# Altium PCB CL-AHU-V1.1.pcbdoc (part 1 of 5) (continued)
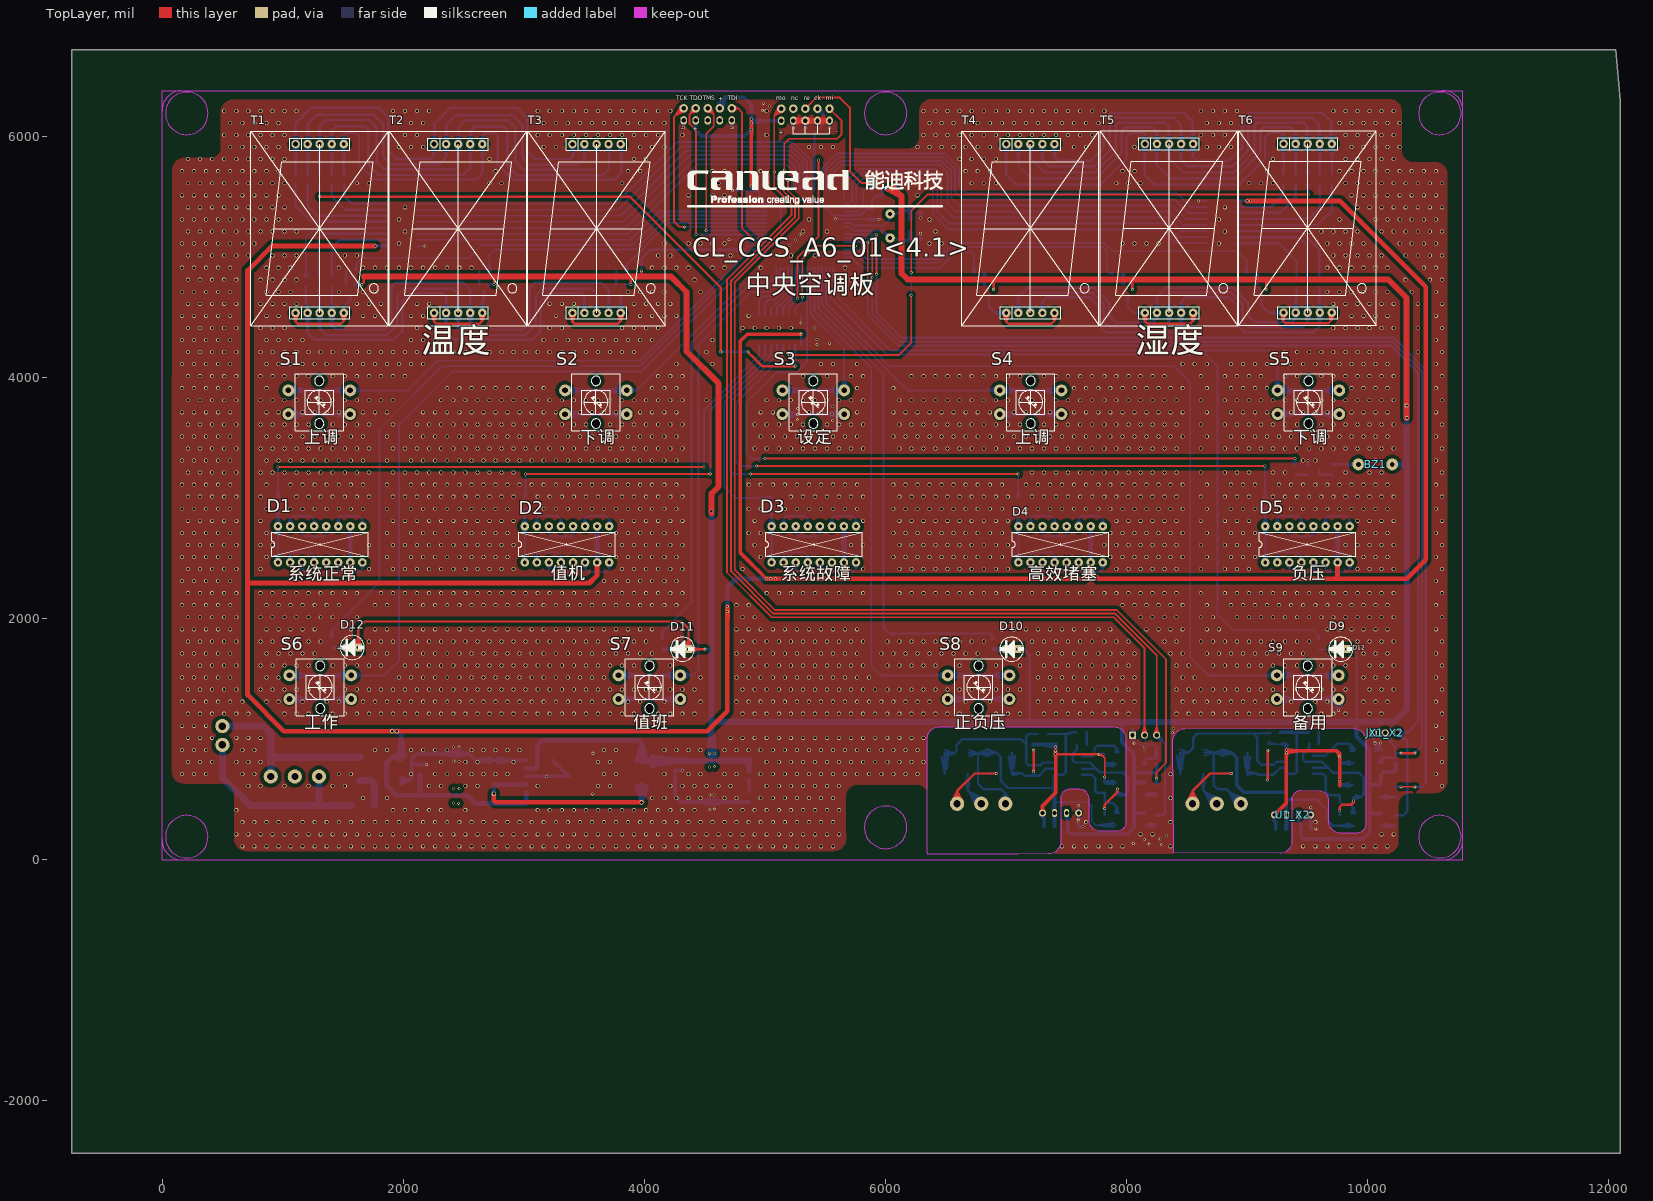
[diagram p0: TopLayer view]
## Footprints (in the part's own frame and the unit in brackets; to place one, negate y for a bottom-side part, rotate by r counter-clockwise, add the part's x,y. Pads: shape width x height; smd on the part's side, far side on the other; paste and mask are expansions set on the pad) (continued)
LED [mm]
  rect 1.651x1.651 hole 0.7: 1(-0.004,-1.263)
  round 1.8 hole 0.7: 2(-0.004,1.277)
  silkscreen extent -2.54,-2.53 2.53,2.55
LED0805#1 [mil]
  rect 50x50 smd: 1(0,0) 2(-80,0)
  silkscreen extent -135,-40 40,40
LED0805#2 [mil]
  rect 50x50 smd far side: 1(0,0) 2(-80,0)
LM2575 [mm] "Power Scource"
  rect 1.07x2.5 smd: 1(-3.4,-4.889) 2(-1.7,-4.89) 3(0,-4.89) 4(1.7,-4.89) 5(3.4,-4.889)
  rect 10.8x11 smd: 3(0,4.095)
  silkscreen extent -5.99,-6.57 6.05,9.89
LN12101B62B-2C [mm]
  round 1.8 hole 0.813: 1(-5.08,-17.74) 2(-2.54,-17.74) 3(0,-17.74) 4(2.54,-17.74) 5(5.08,-17.74) 6(5.08,17.82) 7(2.54,17.82) 8(0,17.82) 9(-2.54,17.82)
  round 1.8 hole 1: 10(-5.08,17.82)
  silkscreen extent -14.5,-20.44 14.48,20.56
PL3Q [mm]
  round 3 hole 1.5: 1(-5.08,0) 2(0,0) 3(5.08,0)
  silkscreen extent -8.64,-10.29 8.64,2.67
PLED [mm]
  round 1.8 hole 0.813: 1(-8.89,-3.81) 2(-6.35,-3.81) 3(-3.81,-3.81) 4(-1.27,-3.81) 5(1.27,-3.81) 6(3.81,-3.81) 7(6.35,-3.81) 8(8.89,-3.81) 9(8.89,3.81) 10(6.35,3.81) 11(3.81,3.81) 12(1.27,3.81) 13(-1.27,3.81) 14(-3.81,3.81) 15(-6.35,3.81) 16(-8.89,3.81)
  silkscreen extent -10.16,-2.57 10.16,2.54
PPTC_SMT#1 [mm]
  rect 1.2x3.4 smd: 1(-2.4,0) 2(2.4,0)
  silkscreen extent -3.3,-2 3.3,2, body extent -2.36,-2.08 2.62,2.08, height 0.5
PPTC_SMT#2 [mm]
  rect 1.2x3.4 smd far side: 1(-2.4,0) 2(2.4,0)
  body extent -2.36,-2.08 2.62,2.08, height 0.5
PS2701#1 [mil]
  oval 100x50 smd: 1(-115,50) 2(-115,-50) 3(115,-50) 4(115,50)
  silkscreen extent -165,-89 160,118
PS2701#2 [mil]
  oval 100x50 smd far side: 1(-115,-50) 2(-115,50) 3(115,50) 4(115,-50)
SMBJ_SMT#1 [mil]
  rect 70x133.86 smd: A(-100,0) K(100,0)
  silkscreen extent -150,-79 149,79, body extent -91,-53 91,53, height 94
SMBJ_SMT#2 [mil]
  rect 70x133.86 smd far side: A(-100,0) K(100,0)
  body extent -91,-53 91,53, height 94
SOP8#1 [mil]
  oval 24x80 smd: 1(-75,-110) 2(-25,-110) 3(25,-110) 4(75,-110) 5(75,110) 6(25,110) 7(-25,110) 8(-75,110)
  silkscreen extent -95,-75 95,75, body extent -97,-118 96,118, height 61
SOP8#2 [mil]
  oval 24x80 smd far side: 1(-75,110) 2(-25,110) 3(25,110) 4(75,110) 5(75,-110) 6(25,-110) 7(-25,-110) 8(-75,-110)
  body extent -97,-118 96,118, height 61
SOP-16 [mil]
  rect 30x80 smd: 1(-175,-125)
  oval 30x80 smd: 2(-125,-125) 3(-75,-125) 4(-25,-125) 5(25,-125) 6(75,-125) 7(125,-125) 8(175,-125) 9(175,125) 10(125,125) 11(75,125) 12(25,125) 13(-25,125) 14(-75,125) 15(-125,125) 16(-175,125)
  silkscreen extent -195,-70 195,70, body extent -194,-130 192,98, height 69
SOT23 [mm]
  rect 0.9x0.95 smd: 1(0,1.175) 2(-0.95,-1.175) 3(0.95,-1.175)
  silkscreen extent -1.3,-0.3 1.3,2.33, body extent -1.45,-1.4 1.45,1.4, height 1.2
SPK [mm]
  round 2.5 / inner round 1.5 / far side round 1.5 hole 1: 1(0.007,-0.008) 2(-7.105,-0.008)
  body extent -9.74,-6.01 2.26,5.99, height 9
VH3.96-2 [mm]
  round 3 hole 1.6: 1(-1.98,0) 2(1.98,0)
  silkscreen extent -4.2,-4.8 4.2,3.7, body extent -4.33,-4.93 8.29,3.83, height 11
VScore [mil] "VScore"
  round 60 hole 30: 1(0,0) 4(300,0)
  oval 40x70 hole 30: 2(100,0) 3(200,0)
  silkscreen extent -125,-50 425,225
XAL2 [mm]
  round 1.27 / inner round 1.27 / far side round 2 hole 0.813: 1(0,0) 2(5.08,0)
  silkscreen extent -2.95,-2.25 8.03,2.25, body extent -3.14,-2.4 8.21,2.25, height 3.5
铝电解电容 [mm]
  oval 2x5 smd: 1(0,4.445) 2(0,-4.318)
  silkscreen extent -4.45,-4.32 4.45,4.45

## Part data
BZ1: library part Speaker, "Loudspeaker"
C1_X1 C1_X2 C2_X1 C2_X2 C3_X1 C3_X2: library part Cap, "Capacitor"
C4 C8 C11 C12 C13 C14: library part CAP, "Capacitor"
C5: library part ELECTRO1, "Electrolytic Capacitor"
C7: library part "Cap Pol1", "Polarized Capacitor (Radial)"
C9 C10: library part "CAP NP"
D1 D2 D3 D4 D5: library part D1
D6_X1 D6_X2 D7_X1 D7_X2: library part DIODE, "Diode"
D8: library part Bridge
DZ1: library part ZENER3, "Zener Diode"
F1_X1 F1_X2 F2_X1 F2_X2 F3: library part "Fuse 1", "Fuse"
ISP1 JTAG1: library part CON10, "Connector"
JX1_X1 JX1_X2 P2 P3: "Header, 3-Pin"
L1: library part INDUCTOR
P1 P8: library part "Header 3", "Header, 3-Pin"
Pw1: library part LM2576
Q5: library part NPN, "NPN Bipolar Transistor"
Q17 Q18 Q19 Q20 Q21 Q22: library part PNP, "PNP Bipolar Transistor"
R1_X1 R1_X2 R2_X1 R2_X2 R3_X1 R3_X2 R4_X1 R4_X2 R5_X1 R5_X2 R6_X1 R6_X2 R7_X1 R7_X2 R8_X1 R8_X2 R9_X1 R9_X2 R10 R11 R12 R13 R14 R15 R16 R17 R18 R19 R20_X1 R20_X2 R22 R23 R24 R25 R26 R27 R28 R29 R33 R34 R35 R36 R37 R38 R42 R43 R44 R45 R46 R47 R48 R49 R50 R51: library part RES2
R20 R21: library part res
S1 S2 S3 S4 S5 S6 S7 S8 S9: library part SW-PB
T1 T2 T3 T4 T5 T6: library part DS
U1_X1 U1_X2: library part VScoure
U3 U5 U6: library part ULN2003A, "High-Voltage, High-Current Darlington Array"
U4: library part ATMEGA64
Y1: library part CRYSTAL

## Free pads (board coordinates)
  round 78.74 on Top Overlay: 29(9777.56,1746.46)

## Via types
v1: diameter 33/33 (per signal layer), hole 23, TopLayer to BottomLayer, tented both sides, 2996 vias
v2: diameter 25, hole 15, TopLayer to BottomLayer, tented both sides, 138 vias
v3: diameter 24, hole 15, TopLayer to BottomLayer, tented both sides, 16 vias
v4: diameter 35, hole 20, TopLayer to BottomLayer, tented both sides, 3 vias
v5: diameter 30, hole 20, TopLayer to BottomLayer, tented both sides, 2 vias
v6: diameter 35, hole 25, TopLayer to BottomLayer, tented both sides, 2 vias

## Nets (pads, with @x,y where several pads share a name; then routed paths per layer and width w, separated by ;. In a path a pad name is that pad's centre, name@x,y a point inside that pad or via, vN(x,y) a via of type N, cw(c..) or ccw(c..) an arc to the next point about the centre after c; other vN are vias at no path point)
12V: C4.1 C5.1 D1.7 D1.10 D2.7 D2.10 D3.7 D3.10 D4.7 D4.10 D5.7 D5.10 D8.3 Pw1.1 U3.9 U5.9 U6.9 | length 34587.3
  TopLayer w30: 4935.41,2406.84 v2(5011.56,2330.71) 4793.55,2548.7 4793.55,4299.7 4852.56,4358.71 v2(5300.56,4358.71)
  TopLayer w40: 1560.47,2302.78 D1.7@1560.47,2465.2 ; v2(1764.26,5091.41) 913.26,5091.41 708.55,4886.7 708.55,2294.7 ; 1769.55,1065.2 v4(1907.05,1064.7) ; 2044.56,1065.2 v4(1907.05,1064.7) ; 2083.55,1065.2 v4(1946.02,1064.15) ; D2.7@3607.72,2465.2 3607.72,2357.86 3544.55,2294.7 708.55,2294.7 ; 4687.19,1926.4 v2(4687.81,2058.92) ; 5144.06,2330.7 v2(5011.56,2330.71) ; 5178.81,2330.7 v2(5046.3,2330.2) ; 5218.81,2330.7 v2(5086.3,2330.2) ; D3.7@5654.96,2465.2 5654.96,2364.29 5688.55,2330.7 ; D4.7@7702.2,2465.2 7702.2,2391.05 ; 9749.45,2342.7 D5.7@9749.45,2465.2 ; 708.55,2294.7 708.55,1366.7 1010.05,1065.2 4521.05,1065.2 4687.19,1231.33 v2(4687.19,2098.95) ; v4(1907.05,1064.7) 1808.49,1065.2 v4(1946.02,1064.15) ; v4(1907.05,1064.7) v4(1946.02,1064.15) ; v2(4687.19,2098.95) v2(4687.81,2058.92) ; v2(4687.19,2098.95) v2(4687.81,2058.92) ; v2(4687.19,2098.95) 4687.19,1966.45 v2(4687.81,2058.92) ; v2(5011.56,2330.71) v2(5046.3,2330.2) ; v2(5011.56,2330.71) v2(5046.3,2330.2) ; v2(5011.56,2330.71) v2(5086.3,2330.2) ; v2(5011.56,2330.71) v2(5046.3,2330.2) ; v2(5011.56,2330.71) v2(5046.3,2330.2) ; v2(5011.56,2330.71) v2(5086.3,2330.2) ; v2(5011.56,2330.71) 5688.55,2330.7 ; v2(5046.3,2330.2) v2(5086.3,2330.2) ; 5688.55,2330.7 7642.55,2330.7 7702.2,2390.35 7702.2,2391.05 ; 7702.2,2391.05 7762.55,2330.7 10323.45,2330.7 10480.55,2487.8 10480.55,4752.7 9768.91,5464.34 v2(8999.43,5464.34) ; v2(8999.43,5464.34) v2(9028.68,5463.95) ; v2(8999.43,5464.34) 9161.18,5464.34 v2(9028.68,5463.95) ; v2(8999.43,5464.34) v2(9028.68,5463.95)
  BottomLayer w20: U3.9@5300.55,4270.7 v2(5300.56,4358.71) ; U3.9@5300.55,4286.21 v2(5300.56,4358.71) ; v2(5300.56,4358.71) 5300.55,4295.7 v2(5300.56,4358.71)
  BottomLayer w30: 1703.55,5091.4 U5.9@1863.13,5091.4 ; 1733.13,5091.4 U5.9@1838.13,5091.4 ; U6.9@8937.23,5464.33 v2(8999.43,5464.34) ; U6.9@8937.23,5464.33 v2(8999.43,5464.34) ; U6.9@8937.23,5464.33 v2(9028.68,5463.95) ; U6.9@8937.23,5464.33 9042.23,5464.33 v2(9028.68,5463.95) ; v2(8999.43,5464.34) v2(9028.68,5463.95) ; v2(8999.43,5464.34) U6.9@8912.23,5464.33 9045.55,5464.33 v2(9028.68,5463.95)
  BottomLayer w40: D1.7@1560.47,2465.2 D1.10@1560.47,2765.2 ; D8.3@1959.02,854.62 1982.27,1016.26 D8.3@2005.52,854.62 ; D8.3@1978.44,829.96 1911.38,852.95 ; D8.3@1978.44,875.94 1911.38,852.95 ; C4.1@2139.79,703.97 2139.79,544.59 2128.98,533.78 ; Pw1.1@3019.59,557.32 3019.59,474.39 3009.99,464.79 2599.41,464.79 2530.42,533.78 C5.1@2436.67,533.78 2128.98,533.78 ; 3607.72,2620.63 D2.7@3607.72,2465.2 D2.10@3607.72,2765.2 ; 4687.19,2191.43 v2(4687.81,2058.92) 4687.19,2015.71 4687.19,2261.45 4756.44,2330.71 v2(5011.56,2330.71) ; D3.7@5654.96,2465.2 D3.10@5654.96,2765.2 ; D4.7@7702.2,2465.2 D4.10@7702.2,2765.2 ; 9749.45,2620.63 D5.7@9749.45,2465.2 D5.10@9749.45,2765.2 ; 1911.38,852.95 1860.95,802.53 1860.95,611.42 1938.59,533.78 2128.98,533.78 ; 1911.38,852.95 D8.3@1982.27,852.95 1982.27,1046.98 ; v4(1946.02,1064.15) v4(1907.05,1064.7) v4@1962.55,1066.7 ; v4(1946.02,1064.15) 1907.05,1066.7 v4@1962.55,1066.7 ; v4(1946.02,1064.15) 1982.27,1046.98 ; v4@1962.55,1066.7 1982.27,1046.98 ; v2(5011.56,2330.71) v2(5046.3,2330.2) ; v2(5011.56,2330.71) v2(5046.3,2330.2) ; v2(5011.56,2330.71) v2(5086.3,2330.2) ; v2(5011.56,2330.71) 5102.55,2330.71 ; v2(5046.3,2330.2) v2(5086.3,2330.2) ; v2(5046.3,2330.2) 5102.55,2330.71 ; v2(5086.3,2330.2) 5102.55,2330.71
  other v2: 2457.55,467.7 2416.55,469.7 2417.55,589.7 2463.55,589.7
12VD_1: D1.1 D1.16 R10.2 | length 1623.9
  BottomLayer w15: D1.1@932.96,2470.05 960.47,2545.63 ; D1.16@932.96,2760.35 960.47,2684.76 ; D1.16@932.94,2769.89 960,2845.63 ; D1.16@947.58,2766.16 960,2845.63 ; R10.2@947.56,2912.69 960,2848.89 R10.2@972.44,2912.69 ; D1.1@947.58,2466.24 960.47,2545.63 ; D1.16@947.58,2764.16 960.47,2684.76 ; D1.16@960,2765.67 R10.2@960,2913.89 ; D1.1@960.47,2465.2 D1.16@960.47,2765.2 960,2845.63 ; D1.1@973.36,2466.24 960.47,2545.63 ; D1.16@973.36,2764.16 960.47,2684.76 ; D1.16@973.36,2766.31 960,2845.63 ; D1.16@987.95,2770.21 960,2845.63 ; D1.1@987.98,2470.05 960.47,2545.63 ; D1.16@987.98,2760.35 960.47,2684.76
12VD_2: D2.1 D2.16 R11.2 | length 1772
  BottomLayer w15: D2.1@2980.21,2470.05 3007.72,2545.63 ; D2.16@2980.21,2760.35 3007.72,2684.76 ; D2.16@2980.18,2769.89 3007.24,2845.63 ; D2.1@2994.83,2466.24 3007.72,2545.63 ; D2.16@2994.83,2764.16 3007.72,2684.76 ; D2.16@2994.82,2766.16 3007.24,2845.63 ; R11.2@3000.67,2913.83 3007.24,2848.25 ; D2.16@3007.24,2765.67 R11.2@3007.24,2913.89 ; R11.2@3013.17,2913.89 3007.24,2848.25 ; D2.1@3020.61,2466.24 3007.72,2545.63 ; D2.16@3020.61,2764.16 3007.72,2684.76 ; D2.16@3020.6,2766.31 3007.24,2845.63 ; R11.2@3025.45,2911.59 3007.24,2848.25 ; D2.1@3035.23,2470.05 3007.72,2545.63 ; D2.16@3035.23,2760.35 3007.72,2684.76 ; D2.16@3035.2,2770.21 3007.24,2845.63 ; 3007.24,2845.63 D2.16@3007.72,2765.2 D2.1@3007.72,2465.2 3007.72,2545.63
12VD_3: D3.1 D3.16 R12.2 | length 1704.3
  BottomLayer w15: D3.16@5027.42,2769.89 5054.49,2845.63 ; D3.1@5027.45,2470.05 5054.96,2545.63 ; D3.16@5027.45,2760.35 5054.96,2684.76 ; D3.1@5042.07,2466.24 5054.96,2545.63 ; D3.16@5042.07,2764.16 5054.96,2684.76 ; D3.16@5042.06,2766.16 5054.49,2845.63 ; R12.2@5042.05,2912.69 5054.49,2848.89 R12.2@5066.93,2912.69 ; D3.16@5054.49,2765.67 R12.2@5054.49,2913.89 ; D3.1@5067.85,2466.24 5054.96,2545.63 ; D3.16@5067.85,2764.16 5054.96,2684.76 ; D3.16@5067.85,2766.31 5054.49,2845.63 ; D3.1@5082.47,2470.05 5054.96,2545.63 ; D3.16@5082.47,2760.35 5054.96,2684.76 ; D3.16@5082.44,2770.21 5054.49,2845.63 ; 5054.49,2845.63 D3.16@5054.96,2765.2 D3.1@5054.96,2465.2 5054.96,2545.63
12VD_4: D4.1 D4.16 R13.2 | length 1769.5
  BottomLayer w15: D4.16@7074.67,2769.89 7101.73,2845.63 ; D4.1@7074.7,2470.05 7102.2,2545.63 ; D4.16@7074.7,2760.35 7102.2,2684.76 ; R13.2@7087.72,2912.8 7101.73,2849.26 ; D4.1@7089.31,2466.24 7102.2,2545.63 ; D4.16@7089.31,2764.16 7102.2,2684.76 ; D4.16@7089.31,2766.16 7101.73,2845.63 ; R13.2@7100.13,2914.31 7101.73,2849.26 ; D4.16@7101.73,2765.67 R13.2@7101.73,2913.89 ; R13.2@7112.6,2913.41 7101.73,2849.26 ; D4.1@7115.1,2466.24 7102.2,2545.63 ; D4.16@7115.1,2764.16 7102.2,2684.76 ; D4.16@7115.09,2766.31 7101.73,2845.63 ; D4.1@7129.71,2470.05 7102.2,2545.63 ; D4.16@7129.71,2760.35 7102.2,2684.76 ; D4.16@7129.68,2770.21 7101.73,2845.63 ; 7101.73,2845.63 D4.16@7102.2,2765.2 D4.1@7102.2,2465.2 7102.2,2545.63
12VD_5: D5.1 D5.16 R14.2 | length 1769.3
  BottomLayer w15: D5.16@9121.91,2769.89 9148.98,2845.63 ; D5.1@9121.94,2470.05 9149.45,2545.63 ; D5.16@9121.94,2760.35 9149.45,2684.76 ; R14.2@9136.08,2912.6 9148.98,2848.89 ; D5.1@9136.56,2466.24 9149.45,2545.63 ; D5.16@9136.56,2764.16 9149.45,2684.76 ; D5.16@9136.55,2766.16 9148.98,2845.63 ; R14.2@9148.51,2913.89 9148.98,2848.89 ; D5.16@9148.98,2765.67 R14.2@9148.98,2913.89 ; R14.2@9160.96,2912.78 9148.98,2848.89 ; D5.1@9162.34,2466.24 9149.45,2545.63 ; D5.16@9162.34,2764.16 9149.45,2684.76 ; D5.16@9162.33,2766.31 9148.98,2845.63 ; D5.1@9176.96,2470.05 9149.45,2545.63 ; D5.16@9176.96,2760.35 9149.45,2684.76 ; D5.16@9176.93,2770.21 9148.98,2845.63 ; 9148.98,2845.63 D5.16@9149.45,2765.2 D5.1@9149.45,2465.2 9149.45,2545.63
485-A_X1: F2_X1.1 P2.3 | length 1040.5
  TopLayer w20: P2.3@6546,475.09 6593.71,569.13 ; P2.3@6564.93,467.68 6593.71,569.13 ; P2.3@6593.71,463.68 6593.71,569.13 ; P2.3@6622.48,467.68 6593.71,569.13 ; P2.3@6641.42,475.09 6593.71,569.13 ; 6845.97,714.79 v3(6917.98,715.43) 6917.98,714.79 6739.36,714.79 6593.71,569.13
  BottomLayer w20: F2_X1.1@6862.95,713.29 6865.09,715.43 v3(6917.98,715.43)
485-A_X2: F2_X2.1 P3.3 | length 1040.5
  TopLayer w20: P3.3@8499.31,474.84 8547.02,568.88 ; P3.3@8518.24,467.43 8547.02,568.88 ; P3.3@8547.02,463.43 8547.02,568.88 ; P3.3@8575.8,467.43 8547.02,568.88 ; P3.3@8594.73,474.84 8547.02,568.88 ; 8799.28,714.54 v3(8871.3,715.19) 8871.3,714.54 8692.68,714.54 8547.02,568.88
  BottomLayer w20: F2_X2.1@8816.26,713.04 8818.41,715.19 v3(8871.3,715.19)
485-B_X1: F1_X1.1 P2.2 | length 1260.2
  BottomLayer w20: F1_X1.1@6669.47,665.2 6683.04,582.69 ; F1_X1.1@6683.04,666.31 6683.04,582.69 ; F1_X1.1@6683.04,709.62 6683.04,574.34 P2.2@6793.71,463.68 6692.22,565.16 ; F1_X1.1@6696.62,665.2 6683.04,582.69 ; P2.2@6753.6,435.43 6692.22,565.16 ; P2.2@6771.19,445.32 6692.22,565.16 ; P2.2@6812.07,486.2 6692.22,565.16 ; P2.2@6821.95,503.78 6692.22,565.16
485-B_X2: F1_X2.1 P3.2 | length 1260.3
  BottomLayer w20: F1_X2.1@8621.28,666.23 8636.36,583.96 ; F1_X2.1@8634.84,667.58 8636.36,583.96 ; F1_X2.1@8636.36,709.37 8636.36,574.09 P3.2@8747.02,463.43 8645.54,564.91 ; F1_X2.1@8648.43,666.72 8636.36,583.96 ; P3.2@8706.92,435.18 8645.54,564.91 ; P3.2@8724.5,445.07 8645.54,564.91 ; P3.2@8765.38,485.95 8645.54,564.91 ; P3.2@8775.27,503.54 8645.54,564.91
485-GND_X1: C2_X1.1 C3_X1.1 D6_X1.A D7_X1.A OP3_X1.3 P2.1 R6_X1.1 R9_X1.1 R20_X1.1 U1_X1.3 U2_X1.5 | length 6124.6
  BottomLayer w15: 7401.55,476.97 7675.28,476.97 7709.91,442.34 7709.91,320.65 7744.66,285.9 R6_X1.1@7817.55,285.9 OP3_X1.3@7917.93,285.9 ; R6_X1.1@7811.35,273.45 7747.55,285.9 ; R6_X1.1@7811.35,298.34 7747.55,285.9 ; R6_X1.1@7812.55,285.9 7747.55,285.9 ; R6_X1.1@7822.55,285.9 OP3_X1.3@7887.55,285.9 ; OP3_X1.3@7887.71,269.19 R6_X1.1@7823.75,298.34 ; OP3_X1.3@7887.71,302.6 R6_X1.1@7823.75,273.45 ; OP3_X1.3@7893.86,268.42 R6_X1.1@7823.75,273.45 ; OP3_X1.3@7893.86,303.37 R6_X1.1@7823.75,298.34 ; R6_X1.1@7822.93,285.9 OP3_X1.3@7892.93,285.9 ; R6_X1.1@7822.93,285.9 7890.74,303.26 R6_X1.1@7822.93,285.9 ; R6_X1.1@7822.93,285.9 7890.74,268.53 R6_X1.1@7822.93,285.9 ; R6_X1.1@7822.93,285.9 OP3_X1.3@7892.93,285.9 ; R6_X1.1@7823.75,273.45 OP3_X1.3@7892.93,285.9 ; R6_X1.1@7823.75,273.45 OP3_X1.3@7887.55,285.9 ; R6_X1.1@7823.75,298.34 OP3_X1.3@7892.93,285.9 ; R6_X1.1@7823.75,298.34 OP3_X1.3@7887.55,285.9
  BottomLayer w20: D6_X1.A@6692.55,883.12 6767.19,883.12 ; D6_X1.A@6696.73,858.47 6767.19,883.12 ; D6_X1.A@6696.73,907.76 6767.19,883.12 ; D7_X1.A@6841.74,912.67 6767.19,883.12 ; D7_X1.A@6842.05,883.12 6767.19,883.12 ; D7_X1.A@6844.92,863.39 6767.19,883.12 ; D7_X1.A@6851.56,863.66 6919.23,888.28 ; D7_X1.A@6851.56,912.9 6919.23,888.28 ; P2.1@6946.72,477.76 6993.71,549.11 ; P2.1@6965.07,468.62 6993.71,549.11 ; P2.1@6993.71,463.68 6993.71,549.11 ; P2.1@7022.34,468.62 6993.71,549.11 ; P2.1@7040.7,477.76 6993.71,549.11 ; R9_X1.1@7346.41,1042.46 7491.88,1042.46 7495.26,1045.85 ; 7401.55,592.46 7399.6,594.41 7017,594.41 6954.98,656.43 6954.98,852.53 6919.23,888.28 ; U2_X1.5@7410.52,705.8 7474.41,705.8 ; U2_X1.5@7438.52,705.8 7474.41,705.8 ; 7495.26,869.89 C3_X1.1@7495.26,949.89 ; R20_X1.1@7582.53,1057.61 7541,1057.61 7529.24,1045.85 7495.26,1045.85 ; 6767.19,883.12 D7_X1.A@6847.22,888.28 6919.23,888.28 ; 6767.19,883.12 6767.19,631.3 6815.08,583.41 6959.4,583.41 6993.71,549.11 ; 7474.41,705.8 7495.26,726.65 C3_X1.1@7495.26,954.89 ; C3_X1.1@7495.26,954.89 7493.33,1010.17 7495.26,959.89 7495.26,1008.24 ; C3_X1.1@7495.26,954.89 7495.26,1008.24 ; 7495.26,1008.24 7495.26,1045.85
  BottomLayer w30: U1_X1.3@7401.55,402.31 7401.55,476.97 ; 7401.55,598.26 U2_X1.5@7410.52,705.8 ; U2_X1.5@7401.55,696.84 7401.55,592.46 7401.55,476.97 ; U1_X1.3@7401.55,387.31 7401.55,283.7 7401.55,372.31 C2_X1.1@7401.55,278.7 U1_X1.3@7401.55,387.31 ; U1_X1.3@7401.55,387.31 7401.55,476.97
485-GND_X2: C2_X2.1 C3_X2.1 D6_X2.A D7_X2.A OP3_X2.3 P3.1 R6_X2.1 R9_X2.1 R20_X2.1 U1_X2.3 U2_X2.5 | length 5925.8
  BottomLayer w20: D6_X2.A@8645.01,888.92 8723.26,888.92 ; D6_X2.A@8649,864.24 8723.26,888.92 ; D6_X2.A@8649,913.6 8723.26,888.92 ; D7_X2.A@8769.12,888.92 8723.26,888.92 ; D7_X2.A@8796.2,863.41 8723.26,888.92 ; D7_X2.A@8796.77,912.75 8723.26,888.92 ; D7_X2.A@8800.53,888.04 8723.26,888.92 ; P3.1@8906.18,436.25 8849.2,566.16 ; P3.1@8924.04,445.65 8849.2,566.16 ; P3.1@8947.02,463.43 8849.2,566.16 ; P3.1@8956.36,459 8832.86,582.5 8755.96,582.5 8723.26,615.21 8723.26,888.92 ; P3.1@8965.9,485.52 8849.2,566.16 ; P3.1@8976.16,502.89 8849.2,566.16 ; R9_X2.1@9274.83,1052.02 9391.95,1052.02 9410.74,1033.23 ; U1_X2.3@9326.52,371.7 9326.52,497.24 ; U1_X2.3@9326.52,386.7 9326.52,466.7 ; 9326.52,640.18 U2_X2.5@9326.52,712.18 ; U2_X2.5@9354.52,712.18 9394.31,712.18 ; 9410.74,875.02 C3_X2.1@9410.74,955.02 ; C3_X2.1@9410.74,965.02 9410.74,1033.23 ; R6_X2.1@9761.91,282.58 9711.16,282.58 ; OP3_X2.3@9851.91,282.58 R6_X2.1@9771.91,282.58 ; OP3_X2.3@9852.01,267.65 R6_X2.1@9771.91,282.58 ; OP3_X2.3@9852.01,297.52 R6_X2.1@9771.91,282.58 ; OP3_X2.3@9852.07,267.65 R6_X2.1@9768.39,282.58 ; OP3_X2.3@9852.07,297.53 R6_X2.1@9768.39,282.58 ; OP3_X2.3@9881.16,282.58 R6_X2.1@9766.91,282.58 9711.16,282.58 ; 9326.52,497.24 U2_X2.5@9326.52,712.18 ; 9326.52,497.24 9580.13,497.24 9667.94,409.42 9667.94,325.79 9711.16,282.58 ; U2_X2.5@9326.52,712.18 9394.31,712.18 ; 9394.31,712.18 9410.74,728.6 C3_X2.1@9410.74,960.02 9410.74,1033.23 ; R6_X2.1@9768.39,282.58 9853.39,282.59 R6_X2.1@9771.91,282.58
  BottomLayer w30: D7_X2.A@8800.53,888.04 8871.52,888.04 ; D7_X2.A@8803.35,868.24 8871.52,888.04 ; D7_X2.A@8803.35,907.84 8871.52,888.04 ; R9_X2.1@9274.83,1052.02 9280.41,1057.61 R20_X2.1@9507.49,1057.61 ; 9320.95,559.97 8972.38,559.97 8913.3,619.05 8913.3,846.25 8871.52,888.04 ; C2_X2.1@9321.55,254.7 C2_X2.1@9326.52,259.67 ; U1_X2.3@9326.52,370.08 9321.55,259.7 9326.52,356.7 C2_X2.1@9326.52,259.67 ; U1_X2.3@9326.52,371.7 C2_X2.1@9326.52,259.67
485-VCC_X1: C2_X1.2 C3_X1.2 OP2_X1.4 R4_X1.1 R5_X1.2 R7_X1.2 U1_X1.4 U2_X1.8 | length 7532.5
  TopLayer w15: v2(7817.56,684.8) 7817.56,844.66 ; v2(7772.04,873.99) 7788.22,873.99 ; v2(7772.04,873.99) 7817.56,844.66 ; v2(7772.04,873.99) 7788.22,873.99 ; 7788.22,873.99 7817.56,844.66
  TopLayer w20: v2@7410.27,873.99 v2(7772.04,873.99) 7699.54,873.99 ; 7482.91,873.99 v2(7410.27,875.93) ; v2(7409.62,903.11) v2(7410.27,932.88) ; v2(7409.62,903.11) v2(7410.27,875.93) ; v2(7409.62,903.11) v2(7410.27,932.88) ; v2(7410.27,875.93) v2(7410.27,932.88) ; v2(7410.27,875.93) v2(7410.27,932.88)
  TopLayer w30: U1_X1.4@7301.55,387.31 7301.55,445.57 7410.27,554.29 v2@7410.27,873.99 ; 7410.27,773.43 v2(7410.27,875.93) v2(7409.62,903.11) 7410.27,800.6
  BottomLayer w15: R4_X1.1@7822.55,639.81 OP2_X1.4@7887.55,639.81 ; OP2_X1.4@7887.71,623.1 R4_X1.1@7823.75,652.25 ; OP2_X1.4@7887.71,656.51 R4_X1.1@7823.75,627.37 ; OP2_X1.4@7893.86,622.33 R4_X1.1@7823.75,627.37 ; OP2_X1.4@7893.86,657.28 R4_X1.1@7823.75,652.25 ; OP2_X1.4@7917.93,639.81 R4_X1.1@7817.55,639.81 ; v2(7772.04,873.99) 7812.55,873.61 v2@7772.43,873.61 ; v2(7772.04,873.99) 7810.6,885.95 v2@7772.43,873.61 ; v2(7772.04,873.99) 7810.6,861.26 v2@7772.43,873.61 ; v2(7772.04,873.99) R5_X1.2@7817.55,873.61 v2@7772.43,873.61 ; v2(7772.04,873.99) v2@7772.43,873.61 ; R4_X1.1@7817.55,639.81 v2(7817.56,684.8) ; R4_X1.1@7817.55,639.81 v2(7817.56,684.8) ; v2(7817.56,684.8) 7805.17,641.54 v2(7817.56,684.8) ; v2(7817.56,684.8) 7829.93,641.54 v2(7817.56,684.8) ; R4_X1.1@7822.93,639.81 OP2_X1.4@7892.93,639.81 ; R4_X1.1@7822.93,639.81 7890.74,657.17 R4_X1.1@7822.93,639.81 ; R4_X1.1@7822.93,639.81 7890.74,622.44 R4_X1.1@7822.93,639.81 ; R4_X1.1@7822.93,639.81 OP2_X1.4@7892.93,639.81 ; R4_X1.1@7823.75,627.37 OP2_X1.4@7892.93,639.81 ; R4_X1.1@7823.75,627.37 OP2_X1.4@7887.55,639.81 ; R4_X1.1@7823.75,652.25 OP2_X1.4@7892.93,639.81 ; R4_X1.1@7823.75,652.25 OP2_X1.4@7887.55,639.81
  BottomLayer w30: R7_X1.2@7221.28,955.12 C3_X1.2@7410.26,955.12 ; 7296.03,955.12 v2(7410.27,932.88) ; 7300.26,955.12 C3_X1.2@7410.26,954.89 ; 7307.78,955.11 v2(7410.27,932.88) ; C2_X1.2@7316.44,278.58 7316.44,337.69 ; C2_X1.2@7316.55,283.7 7316.44,337.69 ; C3_X1.2@7410.26,959.89 v2(7410.27,932.88) ; 7301.55,352.58 U1_X1.4@7301.55,387.31 ; 7301.55,352.58 U1_X1.4@7301.55,387.31 ; 7301.55,352.58 7316.44,337.69 ; 7301.55,352.58 U1_X1.4@7301.55,387.31 ; U1_X1.4@7301.55,387.31 7316.44,337.69 ; v2(7409.62,903.11) v2(7410.27,932.88) ; v2(7409.62,903.11) v2(7410.27,932.88) ; v2(7409.62,903.11) v2(7410.27,932.88) ; v2(7409.62,903.11) v2(7410.27,932.88) ; v2(7409.62,903.11) v2(7410.27,932.88) ; v2(7409.62,903.11) v2(7410.27,932.88) ; v2(7409.62,903.11) v2(7410.27,932.88) ; v2(7409.62,903.11) v2(7410.27,932.88) ; v2(7409.62,903.11) C3_X1.2@7410.26,949.89 ; v2(7409.62,903.11) v2(7410.27,875.93) ; v2(7409.62,903.11) C3_X1.2@7410.26,949.89 ; v2(7409.62,903.11) v2(7410.27,875.93) ; v2(7409.62,903.11) C3_X1.2@7410.26,954.89 ; v2(7409.62,903.11) v2(7410.27,875.93) ; v2(7409.62,903.11) C3_X1.2@7410.26,954.89 ; v2(7409.62,903.11) v2(7410.27,875.93) ; v2(7409.62,903.11) C3_X1.2@7410.26,949.89 ; v2(7409.62,903.11) U2_X1.8@7410.52,855.8 ; v2(7409.62,903.11) U2_X1.8@7410.26,856.06 ; v2(7409.62,903.11) C3_X1.2@7410.26,949.89 ; v2(7409.62,903.11) C3_X1.2@7410.26,954.89 ; v2(7409.62,903.11) U2_X1.8@7410.52,855.8 ; v2(7409.62,903.11) U2_X1.8@7410.26,856.06 ; v2(7409.62,903.11) C3_X1.2@7410.26,954.89 ; v2(7409.62,903.11) v2(7410.27,875.93) ; v2(7409.62,903.11) U2_X1.8@7410.52,855.8 ; v2(7409.62,903.11) U2_X1.8@7410.26,856.06 ; v2(7409.62,903.11) v2(7410.27,875.93) ; v2(7409.62,903.11) v2(7410.27,875.93) ; v2(7409.62,903.11) U2_X1.8@7410.52,855.8 ; v2(7409.62,903.11) U2_X1.8@7410.26,856.06 ; v2(7409.62,903.11) v2(7410.27,875.93) ; v2(7409.62,903.11) U2_X1.8@7410.26,856.06 ; v2(7409.62,903.11) v2(7410.27,875.93) ; v2(7409.62,903.11) v2(7410.27,875.93) ; v2(7409.62,903.11) U2_X1.8@7410.52,855.8 ; U2_X1.8@7410.26,856.06 v2(7410.27,932.88) ; U2_X1.8@7410.26,856.06 v2(7410.27,932.88) ; U2_X1.8@7410.26,856.06 v2(7410.27,875.93) ; U2_X1.8@7410.26,856.06 v2(7410.27,875.93) ; U2_X1.8@7410.26,856.06 v2(7410.27,875.93) ; U2_X1.8@7410.26,856.06 C3_X1.2@7410.26,949.89 ; U2_X1.8@7410.26,856.06 U2_X1.8@7410.52,855.8 ; U2_X1.8@7410.26,856.06 C3_X1.2@7410.26,954.89 ; v2(7410.27,875.93) v2(7410.27,932.88) ; v2(7410.27,875.93) v2(7410.27,932.88) ; v2(7410.27,875.93) v2(7410.27,932.88) ; v2(7410.27,875.93) v2(7410.27,932.88) ; v2(7410.27,875.93) C3_X1.2@7410.26,949.89 ; v2(7410.27,875.93) U2_X1.8@7410.52,855.8 ; v2(7410.27,875.93) C3_X1.2@7410.26,949.89 ; v2(7410.27,875.93) C3_X1.2@7410.26,954.89 ; v2(7410.27,875.93) U2_X1.8@7410.52,855.8 ; v2(7410.27,875.93) C3_X1.2@7410.26,954.89 ; v2(7410.27,875.93) U2_X1.8@7410.52,855.8 ; v2(7410.27,932.88) C3_X1.2@7410.26,954.89 ; v2(7410.27,932.88) C3_X1.2@7410.26,955.12 ; v2(7410.27,932.88) C3_X1.2@7410.26,949.89 ; v2(7410.27,932.88) C3_X1.2@7410.26,949.89 ; v2(7410.27,932.88) C3_X1.2@7410.26,954.89 ; v2(7410.27,932.88) C3_X1.2@7410.26,954.89 ; v2(7410.27,932.88) C3_X1.2@7410.26,949.89 ; v2(7410.27,932.88) U2_X1.8@7410.52,855.8 ; v2(7410.27,932.88) C3_X1.2@7410.26,949.89 ; v2(7410.27,932.88) C3_X1.2@7410.26,954.89 ; v2(7410.27,932.88) U2_X1.8@7410.52,855.8 ; v2(7410.27,932.88) C3_X1.2@7410.26,954.89 ; v2(7410.27,932.88) C3_X1.2@7410.26,949.89 ; v2(7410.27,932.88) C3_X1.2@7410.26,949.89 ; v2(7410.27,932.88) C3_X1.2@7410.26,954.89 ; v2(7410.27,932.88) C3_X1.2@7410.26,954.89 ; v2(7410.27,932.88) C3_X1.2@7410.26,949.89 ; v2(7410.27,932.88) C3_X1.2@7410.26,949.89 ; v2(7410.27,932.88) C3_X1.2@7410.26,954.89 ; v2(7410.27,932.88) C3_X1.2@7410.26,954.89 ; v2(7410.27,932.88) C3_X1.2@7410.26,955.12 ; v2(7410.27,932.88) C3_X1.2@7410.26,955.12 ; v2(7410.27,932.88) 7413.92,955.12 C3_X1.2@7410.26,955.12 ; v2(7410.27,932.88) C3_X1.2@7410.26,954.89 ; v2(7410.27,932.88) C3_X1.2@7410.26,955.12 ; C3_X1.2@7410.26,949.89 U2_X1.8@7410.52,855.8 ; C3_X1.2@7410.26,954.89 U2_X1.8@7410.52,855.8 ; C3_X1.2@7410.26,954.89 C3_X1.2@7410.26,955.12